# KiCad board traffic_paradise.kicad_pcb (continued)
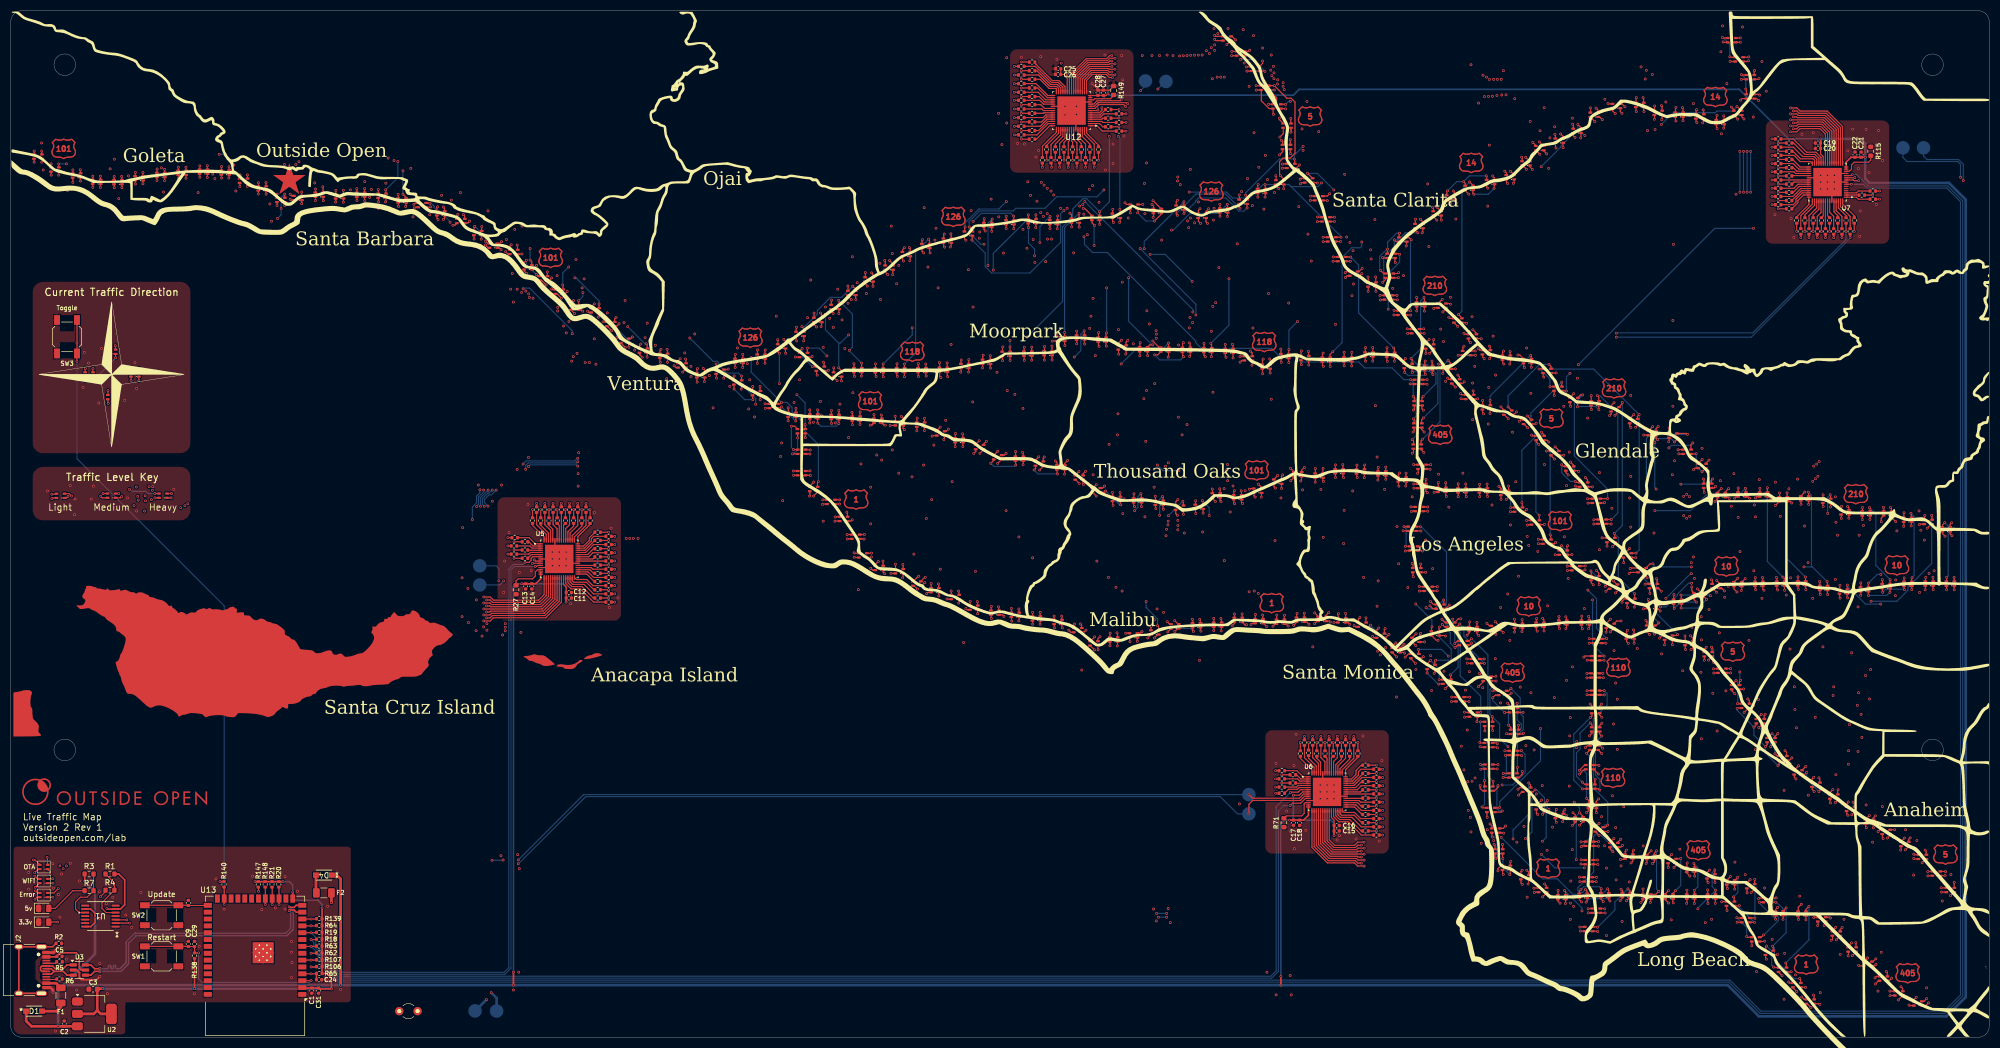
[diagram p0: board, top side]
## Nets (continued)
/Matrix 3/COL1: LED168.2 LED236.2 LED245.2 LED254.2 LED263.2 LED272.2 LED281.2 LED290.2 LED299.2 LED317.2 LED365.2 U7.16
/Matrix 3/COL2: LED169.2 LED237.2 LED246.2 LED255.2 LED264.2 LED273.2 LED282.2 LED291.2 LED300.2 LED307.2 LED366.2 U7.17
/Matrix 3/COL3: LED170.2 LED238.2 LED247.2 LED256.2 LED265.2 LED274.2 LED283.2 LED292.2 LED301.2 LED308.2 LED367.2 U7.18
/Matrix 3/COL4: LED171.2 LED239.2 LED248.2 LED257.2 LED266.2 LED275.2 LED284.2 LED293.2 LED302.2 LED309.2 LED368.2 U7.19
/Matrix 3/COL5: LED240.2 LED249.2 LED258.2 LED267.2 LED276.2 LED285.2 LED294.2 LED303.2 LED310.2 LED311.2 U7.20
/Matrix 3/COL6: LED241.2 LED250.2 LED259.2 LED268.2 LED277.2 LED286.2 LED295.2 LED304.2 LED312.2 LED361.2 U7.21
/Matrix 3/COL7: LED242.2 LED251.2 LED260.2 LED269.2 LED278.2 LED287.2 LED296.2 LED305.2 LED313.2 LED362.2 U7.22
/Matrix 3/COL8: LED243.2 LED252.2 LED261.2 LED270.2 LED279.2 LED288.2 LED297.2 LED306.2 LED315.2 LED363.2 U7.23
/Matrix 3/IND_B: R146.1 U7.1
/Matrix 3/IND_G: R145.1 U7.2
/Matrix 3/IND_R: R109.1 U7.3
/Matrix 3/ROW0: R99.1 U7.28
/Matrix 3/ROW1: R100.1 U7.27
/Matrix 3/ROW2: R101.1 U7.26
/Matrix 3/ROW3: R102.1 U7.31
/Matrix 3/ROW4: R103.1 U7.30
/Matrix 3/ROW5: R104.1 U7.29
/Matrix 3/ROW6: R105.1 U7.34
/Matrix 3/ROW7: R110.1 U7.33
/Matrix 3/ROW8: R111.1 U7.32
/Matrix 3/ROW9: R112.1 U7.38
/Matrix 3/ROW10: R113.1 U7.37
/Matrix 3/ROW11: R114.1 U7.35
/Matrix 3/ROW12: R116.1 U7.41
/Matrix 3/ROW13: R117.1 U7.40
/Matrix 3/ROW14: R118.1 U7.39
/Matrix 3/ROW15: R119.1 U7.47
/Matrix 3/ROW16: R120.1 U7.46
/Matrix 3/ROW17: R121.1 U7.45
/Matrix 3/ROW18: R122.1 U7.50
/Matrix 3/ROW19: R123.1 U7.49
/Matrix 3/ROW20: R124.1 U7.48
/Matrix 3/ROW21: R125.1 U7.44
/Matrix 3/ROW22: R126.1 U7.43
/Matrix 3/ROW23: R127.1 U7.42
/Matrix 3/ROW24: R128.1 U7.60
/Matrix 3/ROW25: R129.1 U7.59
/Matrix 3/ROW26: R130.1 U7.58
/Matrix 3/ROW27: R131.1 U7.54
/Matrix 3/ROW28: R132.1 U7.56
/Matrix 3/ROW29: R133.1 U7.57
/Matrix 3/ROW30: R134.1 U7.53
/Matrix 3/ROW31: R135.1 U7.52
/Matrix 3/ROW32: R136.1 U7.51
/Matrix 4/COL0: LED64.2 LED91.2 LED118.2 LED127.2 LED136.2 LED332.2 LED335.2 LED338.2 LED344.2 LED354.2 LED384.2 LED393.2 LED402.2 U12.21
/Matrix 4/COL1: LED47.2 LED65.2 LED92.2 LED119.2 LED128.2 LED137.2 LED340.2 LED345.2 LED347.2 LED355.2 LED385.2 LED394.2 LED403.2 U12.22
/Matrix 4/COL2: LED48.2 LED66.2 LED93.2 LED120.2 LED129.2 LED134.2 LED135.2 LED138.2 LED343.2 LED357.2 LED386.2 LED395.2 LED404.2 U12.23
/Matrix 4/COL3: LED49.2 LED67.2 LED94.2 LED121.2 LED130.2 LED139.2 LED172.2 LED339.2 LED349.2 LED358.2 LED387.2 LED396.2 LED405.2 U12.24
/Matrix 4/COL4: LED50.2 LED68.2 LED95.2 LED122.2 LED131.2 LED140.2 LED163.2 LED173.2 LED336.2 LED350.2 LED388.2 LED397.2 LED406.2 U12.20
/Matrix 4/COL5: LED51.2 LED69.2 LED96.2 LED123.2 LED132.2 LED141.2 LED164.2 LED174.2 LED348.2 LED351.2 LED389.2 LED398.2 LED407.2 U12.19
/Matrix 4/COL6: LED52.2 LED70.2 LED97.2 LED124.2 LED133.2 LED142.2 LED165.2 LED175.2 LED341.2 LED353.2 LED390.2 LED399.2 LED408.2 U12.18
/Matrix 4/COL7: LED53.2 LED71.2 LED98.2 LED125.2 LED143.2 LED166.2 LED176.2 LED334.2 LED337.2 LED356.2 LED391.2 LED400.2 U12.17
/Matrix 4/COL8: LED54.2 LED72.2 LED99.2 LED126.2 LED144.2 LED331.2 LED333.2 LED342.2 LED346.2 LED352.2 LED392.2 LED401.2 U12.16
/Matrix 4/ROW0: R150.1 U12.4
/Matrix 4/ROW1: R151.1 U12.6
/Matrix 4/ROW2: R152.1 U12.5
/Matrix 4/ROW3: R153.1 U12.1
/Matrix 4/ROW4: R154.1 U12.3
/Matrix 4/ROW5: R155.1 U12.2
/Matrix 4/ROW6: R156.1 U12.58
/Matrix 4/ROW7: R157.1 U12.59
/Matrix 4/ROW8: R158.1 U12.60
/Matrix 4/ROW9: R159.1 U12.54
/Matrix 4/ROW10: R160.1 U12.56
/Matrix 4/ROW11: R161.1 U12.57
/Matrix 4/ROW12: R162.1 U12.51
/Matrix 4/ROW13: R163.1 U12.52
/Matrix 4/ROW14: R164.1 U12.53
/Matrix 4/ROW15: R165.1 U12.48
/Matrix 4/ROW16: R166.1 U12.49
/Matrix 4/ROW17: R167.1 U12.50
/Matrix 4/ROW18: R168.1 U12.45
/Matrix 4/ROW19: R169.1 U12.47
/Matrix 4/ROW20: R170.1 U12.46
/Matrix 4/ROW21: R171.1 U12.39
/Matrix 4/ROW22: R172.1 U12.40
/Matrix 4/ROW23: R173.1 U12.41
/Matrix 4/ROW24: R174.1 U12.42
/Matrix 4/ROW25: R175.1 U12.43
/Matrix 4/ROW26: R176.1 U12.44
/Matrix 4/ROW27: R177.1 U12.29
/Matrix 4/ROW28: R178.1 U12.30
/Matrix 4/ROW29: R179.1 U12.31
/Matrix 4/ROW30: R180.1 U12.32
/Matrix 4/ROW31: R181.1 U12.33
/Matrix 4/ROW32: R182.1 U12.34
/Matrix 4/ROW33: R183.1 U12.35
/Matrix 4/ROW34: R184.1 U12.37
/Matrix 4/ROW35: R185.1 U12.38
/Matrix 4/ROW36: R186.1 U12.26
/Matrix 4/ROW37: R187.1 U12.27
/Matrix 4/ROW38: R188.1 U12.28
/PHOTO: C24.2 R65.2 R108.1 U13.4
/SCL1: R20.2 TP4.1 TP5.1 U1.2 U5.10 U6.10 U13.17
/SCL2: R64.2 TP7.1 TP14.1 U7.10 U12.10 U13.11
/SDA1: R21.2 TP3.1 TP6.1 U1.3 U5.9 U6.9 U13.18
/SDA2: R139.2 TP8.1 TP13.1 U7.9 U12.9 U13.12
/T_SW: R140.2 SW3.2 U13.25
Net-(D1-A): D1.2 F1.2
Net-(D2-A): D2.2 R4.2
Net-(D3-A): D3.2 R7.2
Net-(D4-A): D4.2 F2.2
Net-(F2-Pad1): F2.1 TP22.1
Net-(J2-SHIELD): J2.S1 R2.1
Net-(LED1-BK): LED1.3 LED2.3 LED3.3 LED4.3 LED5.3 LED6.3 LED7.3 LED8.3 LED9.3 R13.2
Net-(LED1-GK): LED1.4 LED2.4 LED3.4 LED4.4 LED5.4 LED6.4 LED7.4 LED8.4 LED9.4 R12.2
Net-(LED1-RK): LED1.1 LED2.1 LED3.1 LED4.1 LED5.1 LED6.1 LED7.1 LED8.1 LED9.1 R11.2
Net-(LED10-BK): LED10.3 LED11.3 LED12.3 LED13.3 LED14.3 LED15.3 LED16.3 LED17.3 LED18.3 R16.2
Net-(LED10-GK): LED10.4 LED11.4 LED12.4 LED13.4 LED14.4 LED15.4 LED16.4 LED17.4 LED18.4 R15.2
Net-(LED10-RK): LED10.1 LED11.1 LED12.1 LED13.1 LED14.1 LED15.1 LED16.1 LED17.1 LED18.1 R14.2
Net-(LED19-BK): LED19.3 LED20.3 LED21.3 LED22.3 LED23.3 LED24.3 LED25.3 LED26.3 LED27.3 R23.2
Net-(LED19-GK): LED19.4 LED20.4 LED21.4 LED22.4 LED23.4 LED24.4 LED25.4 LED26.4 LED27.4 R22.2
Net-(LED19-RK): LED19.1 LED20.1 LED21.1 LED22.1 LED23.1 LED24.1 LED25.1 LED26.1 LED27.1 R17.2
Net-(LED28-BK): LED28.3 LED29.3 LED30.3 LED31.3 LED32.3 LED33.3 LED34.3 LED35.3 LED36.3 R26.2
Net-(LED28-GK): LED28.4 LED29.4 LED30.4 LED31.4 LED32.4 LED33.4 LED34.4 LED35.4 LED36.4 R25.2
Net-(LED28-RK): LED28.1 LED29.1 LED30.1 LED31.1 LED32.1 LED33.1 LED34.1 LED35.1 LED36.1 R24.2
Net-(LED37-BK): LED37.3 LED38.3 LED39.3 LED40.3 LED41.3 LED42.3 LED43.3 LED44.3 LED45.3 R30.2
Net-(LED37-GK): LED37.4 LED38.4 LED39.4 LED40.4 LED41.4 LED42.4 LED43.4 LED44.4 LED45.4 R29.2
Net-(LED37-RK): LED37.1 LED38.1 LED39.1 LED40.1 LED41.1 LED42.1 LED43.1 LED44.1 LED45.1 R28.2
Net-(LED55-BK): LED55.3 LED56.3 LED57.3 LED58.3 LED59.3 LED60.3 LED61.3 LED62.3 LED63.3 R33.2
Net-(LED55-GK): LED55.4 LED56.4 LED57.4 LED58.4 LED59.4 LED60.4 LED61.4 LED62.4 LED63.4 R32.2
Net-(LED55-RK): LED55.1 LED56.1 LED57.1 LED58.1 LED59.1 LED60.1 LED61.1 LED62.1 LED63.1 R31.2
Net-(LED64-BK): LED64.3 LED65.3 LED66.3 LED67.3 LED68.3 LED69.3 LED70.3 LED71.3 LED72.3 R155.2
Net-(LED64-GK): LED64.4 LED65.4 LED66.4 LED67.4 LED68.4 LED69.4 LED70.4 LED71.4 LED72.4 R154.2
Net-(LED64-RK): LED64.1 LED65.1 LED66.1 LED67.1 LED68.1 LED69.1 LED70.1 LED71.1 LED72.1 R153.2
Net-(LED73-BK): LED73.3 LED74.3 LED75.3 LED76.3 LED77.3 LED78.3 LED79.3 LED80.3 LED81.3 R36.2
Net-(LED73-GK): LED73.4 LED74.4 LED75.4 LED76.4 LED77.4 LED78.4 LED79.4 LED80.4 LED81.4 R35.2
Net-(LED73-RK): LED73.1 LED74.1 LED75.1 LED76.1 LED77.1 LED78.1 LED79.1 LED80.1 LED81.1 R34.2
Net-(LED82-BK): LED82.3 LED83.3 LED84.3 LED85.3 LED86.3 LED87.3 LED88.3 LED89.3 LED90.3 R39.2
Net-(LED82-GK): LED82.4 LED83.4 LED84.4 LED85.4 LED86.4 LED87.4 LED88.4 LED89.4 LED90.4 R38.2
Net-(LED82-RK): LED82.1 LED83.1 LED84.1 LED85.1 LED86.1 LED87.1 LED88.1 LED89.1 LED90.1 R37.2
Net-(LED91-BK): LED91.3 LED92.3 LED93.3 LED94.3 LED95.3 LED96.3 LED97.3 LED98.3 LED99.3 R167.2
Net-(LED91-GK): LED91.4 LED92.4 LED93.4 LED94.4 LED95.4 LED96.4 LED97.4 LED98.4 LED99.4 R166.2
Net-(LED91-RK): LED91.1 LED92.1 LED93.1 LED94.1 LED95.1 LED96.1 LED97.1 LED98.1 LED99.1 R165.2
Net-(LED100-BK): LED100.3 LED101.3 LED102.3 LED103.3 LED104.3 LED105.3 LED106.3 LED107.3 LED108.3 R42.2
Net-(LED100-GK): LED100.4 LED101.4 LED102.4 LED103.4 LED104.4 LED105.4 LED106.4 LED107.4 LED108.4 R41.2
Net-(LED100-RK): LED100.1 LED101.1 LED102.1 LED103.1 LED104.1 LED105.1 LED106.1 LED107.1 LED108.1 R40.2
Net-(LED109-BK): LED109.3 LED110.3 LED111.3 LED112.3 LED113.3 LED114.3 LED115.3 LED116.3 LED414.3 R45.2
Net-(LED109-GK): LED109.4 LED110.4 LED111.4 LED112.4 LED113.4 LED114.4 LED115.4 LED116.4 LED414.4 R44.2
Net-(LED109-RK): LED109.1 LED110.1 LED111.1 LED112.1 LED113.1 LED114.1 LED115.1 LED116.1 LED414.1 R43.2
Net-(LED117-BK): LED117.3 LED360.3 LED371.3 LED376.3 LED378.3 R92.2
Net-(LED117-GK): LED117.4 LED360.4 LED371.4 LED376.4 LED378.4 R91.2
Net-(LED117-RK): LED117.1 LED360.1 LED371.1 LED376.1 LED378.1 R90.2
Net-(LED118-BK): LED118.3 LED119.3 LED120.3 LED121.3 LED122.3 LED123.3 LED124.3 LED125.3 LED126.3 R173.2
Net-(LED118-GK): LED118.4 LED119.4 LED120.4 LED121.4 LED122.4 LED123.4 LED124.4 LED125.4 LED126.4 R172.2
Net-(LED118-RK): LED118.1 LED119.1 LED120.1 LED121.1 LED122.1 LED123.1 LED124.1 LED125.1 LED126.1 R171.2
Net-(LED127-BK): LED127.3 LED128.3 LED129.3 LED130.3 LED131.3 LED132.3 LED133.3 LED334.3 LED346.3 R170.2
Net-(LED127-GK): LED127.4 LED128.4 LED129.4 LED130.4 LED131.4 LED132.4 LED133.4 LED334.4 LED346.4 R169.2
Net-(LED127-RK): LED127.1 LED128.1 LED129.1 LED130.1 LED131.1 LED132.1 LED133.1 LED334.1 LED346.1 R168.2
Net-(LED134-BK): LED134.3 LED335.3 LED336.3 LED337.3 LED339.3 LED341.3 LED342.3 LED347.3 LED348.3 R161.2
Net-(LED134-GK): LED134.4 LED335.4 LED336.4 LED337.4 LED339.4 LED341.4 LED342.4 LED347.4 LED348.4 R160.2
Net-(LED134-RK): LED134.1 LED335.1 LED336.1 LED337.1 LED339.1 LED341.1 LED342.1 LED347.1 LED348.1 R159.2
Net-(LED135-BK): LED135.3 LED172.3 LED173.3 LED174.3 LED175.3 LED176.3 LED333.3 LED344.3 LED345.3 R158.2
Net-(LED135-GK): LED135.4 LED172.4 LED173.4 LED174.4 LED175.4 LED176.4 LED333.4 LED344.4 LED345.4 R157.2
Net-(LED135-RK): LED135.1 LED172.1 LED173.1 LED174.1 LED175.1 LED176.1 LED333.1 LED344.1 LED345.1 R156.2
Net-(LED136-BK): LED136.3 LED137.3 LED138.3 LED139.3 LED140.3 LED141.3 LED142.3 LED143.3 LED144.3 R176.2
Net-(LED136-GK): LED136.4 LED137.4 LED138.4 LED139.4 LED140.4 LED141.4 LED142.4 LED143.4 LED144.4 R175.2
Net-(LED136-RK): LED136.1 LED137.1 LED138.1 LED139.1 LED140.1 LED141.1 LED142.1 LED143.1 LED144.1 R174.2
Net-(LED145-BK): LED145.3 LED146.3 LED147.3 LED148.3 LED149.3 LED150.3 LED151.3 LED152.3 LED153.3 R48.2
Net-(LED145-GK): LED145.4 LED146.4 LED147.4 LED148.4 LED149.4 LED150.4 LED151.4 LED152.4 LED153.4 R47.2
Net-(LED145-RK): LED145.1 LED146.1 LED147.1 LED148.1 LED149.1 LED150.1 LED151.1 LED152.1 LED153.1 R46.2
Net-(LED154-BK): LED154.3 LED155.3 LED156.3 LED157.3 LED158.3 LED159.3 LED160.3 LED161.3 LED162.3 R70.2
Net-(LED154-GK): LED154.4 LED155.4 LED156.4 LED157.4 LED158.4 LED159.4 LED160.4 LED161.4 LED162.4 R69.2
Net-(LED154-RK): LED154.1 LED155.1 LED156.1 LED157.1 LED158.1 LED159.1 LED160.1 LED161.1 LED162.1 R68.2
Net-(LED163-BK): LED163.3 LED164.3 LED165.3 LED166.3 LED331.3 LED354.3 LED355.3 LED357.3 LED358.3 R179.2
Net-(LED163-GK): LED163.4 LED164.4 LED165.4 LED166.4 LED331.4 LED354.4 LED355.4 LED357.4 LED358.4 R178.2
Net-(LED163-RK): LED163.1 LED164.1 LED165.1 LED166.1 LED331.1 LED354.1 LED355.1 LED357.1 LED358.1 R177.2
Net-(LED167-BK): LED167.3 LED168.3 LED169.3 LED170.3 LED171.3 LED311.3 LED312.3 LED313.3 LED315.3 R130.2
Net-(LED167-GK): LED167.4 LED168.4 LED169.4 LED170.4 LED171.4 LED311.4 LED312.4 LED313.4 LED315.4 R129.2
Net-(LED167-RK): LED167.1 LED168.1 LED169.1 LED170.1 LED171.1 LED311.1 LED312.1 LED313.1 LED315.1 R128.2
Net-(LED177-BK): LED177.3 LED178.3 LED179.3 LED180.3 LED181.3 LED182.3 LED183.3 LED184.3 LED185.3 R74.2
Net-(LED177-GK): LED177.4 LED178.4 LED179.4 LED180.4 LED181.4 LED182.4 LED183.4 LED184.4 LED185.4 R73.2
Net-(LED177-RK): LED177.1 LED178.1 LED179.1 LED180.1 LED181.1 LED182.1 LED183.1 LED184.1 LED185.1 R72.2
Net-(LED186-BK): LED186.3 LED187.3 LED188.3 LED189.3 LED314.3 LED359.3 LED373.3 LED374.3 LED377.3 R60.2
Net-(LED186-GK): LED186.4 LED187.4 LED188.4 LED189.4 LED314.4 LED359.4 LED373.4 LED374.4 LED377.4 R59.2
Net-(LED186-RK): LED186.1 LED187.1 LED188.1 LED189.1 LED314.1 LED359.1 LED373.1 LED374.1 LED377.1 R58.2
Net-(LED190-BK): LED190.3 LED191.3 LED192.3 LED193.3 LED194.3 LED195.3 LED196.3 LED197.3 LED198.3 R77.2
Net-(LED190-GK): LED190.4 LED191.4 LED192.4 LED193.4 LED194.4 LED195.4 LED196.4 LED197.4 LED198.4 R76.2
Net-(LED190-RK): LED190.1 LED191.1 LED192.1 LED193.1 LED194.1 LED195.1 LED196.1 LED197.1 LED198.1 R75.2
Net-(LED199-BK): LED199.3 LED200.3 LED201.3 LED202.3 LED203.3 LED204.3 LED205.3 LED206.3 LED207.3 R80.2
Net-(LED199-GK): LED199.4 LED200.4 LED201.4 LED202.4 LED203.4 LED204.4 LED205.4 LED206.4 LED207.4 R79.2
Net-(LED199-RK): LED199.1 LED200.1 LED201.1 LED202.1 LED203.1 LED204.1 LED205.1 LED206.1 LED207.1 R78.2
Net-(LED208-BK): LED208.3 LED209.3 LED210.3 LED211.3 LED212.3 LED213.3 LED214.3 LED215.3 LED216.3 R83.2
Net-(LED208-GK): LED208.4 LED209.4 LED210.4 LED211.4 LED212.4 LED213.4 LED214.4 LED215.4 LED216.4 R82.2
Net-(LED208-RK): LED208.1 LED209.1 LED210.1 LED211.1 LED212.1 LED213.1 LED214.1 LED215.1 LED216.1 R81.2
Net-(LED217-BK): LED217.3 LED218.3 LED219.3 LED220.3 LED221.3 LED222.3 LED223.3 LED224.3 LED225.3 R86.2
Net-(LED217-GK): LED217.4 LED218.4 LED219.4 LED220.4 LED221.4 LED222.4 LED223.4 LED224.4 LED225.4 R85.2
Net-(LED217-RK): LED217.1 LED218.1 LED219.1 LED220.1 LED221.1 LED222.1 LED223.1 LED224.1 LED225.1 R84.2
Net-(LED226-BK): LED226.3 LED227.3 LED228.3 LED229.3 LED230.3 LED231.3 LED232.3 LED233.3 LED234.3 R89.2
Net-(LED226-GK): LED226.4 LED227.4 LED228.4 LED229.4 LED230.4 LED231.4 LED232.4 LED233.4 LED234.4 R88.2
Net-(LED226-RK): LED226.1 LED227.1 LED228.1 LED229.1 LED230.1 LED231.1 LED232.1 LED233.1 LED234.1 R87.2
Net-(LED235-BK): LED235.3 LED236.3 LED237.3 LED238.3 LED239.3 LED240.3 LED241.3 LED242.3 LED243.3 R101.2
Net-(LED235-GK): LED235.4 LED236.4 LED237.4 LED238.4 LED239.4 LED240.4 LED241.4 LED242.4 LED243.4 R100.2
Net-(LED235-RK): LED235.1 LED236.1 LED237.1 LED238.1 LED239.1 LED240.1 LED241.1 LED242.1 LED243.1 R99.2
Net-(LED244-BK): LED244.3 LED245.3 LED246.3 LED247.3 LED248.3 LED249.3 LED250.3 LED251.3 LED252.3 R104.2
Net-(LED244-GK): LED244.4 LED245.4 LED246.4 LED247.4 LED248.4 LED249.4 LED250.4 LED251.4 LED252.4 R103.2
Net-(LED244-RK): LED244.1 LED245.1 LED246.1 LED247.1 LED248.1 LED249.1 LED250.1 LED251.1 LED252.1 R102.2
Net-(LED253-BK): LED253.3 LED254.3 LED255.3 LED256.3 LED257.3 LED258.3 LED259.3 LED260.3 LED261.3 R111.2
Net-(LED253-GK): LED253.4 LED254.4 LED255.4 LED256.4 LED257.4 LED258.4 LED259.4 LED260.4 LED261.4 R110.2
Net-(LED253-RK): LED253.1 LED254.1 LED255.1 LED256.1 LED257.1 LED258.1 LED259.1 LED260.1 LED261.1 R105.2
Net-(LED262-BK): LED262.3 LED263.3 LED264.3 LED265.3 LED266.3 LED267.3 LED268.3 LED269.3 LED270.3 R114.2
Net-(LED262-GK): LED262.4 LED263.4 LED264.4 LED265.4 LED266.4 LED267.4 LED268.4 LED269.4 LED270.4 R113.2
Net-(LED262-RK): LED262.1 LED263.1 LED264.1 LED265.1 LED266.1 LED267.1 LED268.1 LED269.1 LED270.1 R112.2
Net-(LED271-BK): LED271.3 LED272.3 LED273.3 LED274.3 LED275.3 LED276.3 LED277.3 LED278.3 LED279.3 R118.2
Net-(LED271-GK): LED271.4 LED272.4 LED273.4 LED274.4 LED275.4 LED276.4 LED277.4 LED278.4 LED279.4 R117.2
Net-(LED271-RK): LED271.1 LED272.1 LED273.1 LED274.1 LED275.1 LED276.1 LED277.1 LED278.1 LED279.1 R116.2
Net-(LED280-BK): LED280.3 LED281.3 LED282.3 LED283.3 LED284.3 LED285.3 LED286.3 LED287.3 LED288.3 R121.2
Net-(LED280-GK): LED280.4 LED281.4 LED282.4 LED283.4 LED284.4 LED285.4 LED286.4 LED287.4 LED288.4 R120.2
Net-(LED280-RK): LED280.1 LED281.1 LED282.1 LED283.1 LED284.1 LED285.1 LED286.1 LED287.1 LED288.1 R119.2
Net-(LED289-BK): LED289.3 LED290.3 LED291.3 LED292.3 LED293.3 LED294.3 LED295.3 LED296.3 LED297.3 R124.2
Net-(LED289-GK): LED289.4 LED290.4 LED291.4 LED292.4 LED293.4 LED294.4 LED295.4 LED296.4 LED297.4 R123.2
Net-(LED289-RK): LED289.1 LED290.1 LED291.1 LED292.1 LED293.1 LED294.1 LED295.1 LED296.1 LED297.1 R122.2
Net-(LED298-BK): LED298.3 LED299.3 LED300.3 LED301.3 LED302.3 LED303.3 LED304.3 LED305.3 LED306.3 R127.2
Net-(LED298-GK): LED298.4 LED299.4 LED300.4 LED301.4 LED302.4 LED303.4 LED304.4 LED305.4 LED306.4 R126.2
Net-(LED298-RK): LED298.1 LED299.1 LED300.1 LED301.1 LED302.1 LED303.1 LED304.1 LED305.1 LED306.1 R125.2
Net-(LED307-BK): LED307.3 LED308.3 LED309.3 LED310.3 LED316.3 LED317.3 LED361.3 LED362.3 LED363.3 R133.2
Net-(LED307-GK): LED307.4 LED308.4 LED309.4 LED310.4 LED316.4 LED317.4 LED361.4 LED362.4 LED363.4 R132.2
Net-(LED307-RK): LED307.1 LED308.1 LED309.1 LED310.1 LED316.1 LED317.1 LED361.1 LED362.1 LED363.1 R131.2
Net-(LED318-BK): LED318.3 LED319.3 LED320.3 LED321.3 LED322.3 LED323.3 LED324.3 LED329.3 LED330.3 R67.2
Net-(LED318-GK): LED318.4 LED319.4 LED320.4 LED321.4 LED322.4 LED323.4 LED324.4 LED329.4 LED330.4 R66.2
Net-(LED318-RK): LED318.1 LED319.1 LED320.1 LED321.1 LED322.1 LED323.1 LED324.1 LED329.1 LED330.1 R61.2
Net-(LED325-BK): LED325.3 LED326.3 LED327.3 LED328.3 LED409.3 LED410.3 LED411.3 LED412.3 LED413.3 R51.2
Net-(LED325-GK): LED325.4 LED326.4 LED327.4 LED328.4 LED409.4 LED410.4 LED411.4 LED412.4 LED413.4 R50.2
Net-(LED325-RK): LED325.1 LED326.1 LED327.1 LED328.1 LED409.1 LED410.1 LED411.1 LED412.1 LED413.1 R49.2
Net-(LED332-BK): LED47.3 LED48.3 LED49.3 LED50.3 LED51.3 LED52.3 LED53.3 LED54.3 LED332.3 R152.2
Net-(LED332-GK): LED47.4 LED48.4 LED49.4 LED50.4 LED51.4 LED52.4 LED53.4 LED54.4 LED332.4 R151.2
Net-(LED332-RK): LED47.1 LED48.1 LED49.1 LED50.1 LED51.1 LED52.1 LED53.1 LED54.1 LED332.1 R150.2
Net-(LED338-BK): LED338.3 LED340.3 LED343.3 LED349.3 LED350.3 LED351.3 LED352.3 LED353.3 LED356.3 R164.2
Net-(LED338-GK): LED338.4 LED340.4 LED343.4 LED349.4 LED350.4 LED351.4 LED352.4 LED353.4 LED356.4 R163.2
Net-(LED338-RK): LED338.1 LED340.1 LED343.1 LED349.1 LED350.1 LED351.1 LED352.1 LED353.1 LED356.1 R162.2
Net-(LED364-BK): LED364.3 LED365.3 LED366.3 LED367.3 LED368.3 R136.2
Net-(LED364-GK): LED364.4 LED365.4 LED366.4 LED367.4 LED368.4 R135.2
Net-(LED364-RK): LED364.1 LED365.1 LED366.1 LED367.1 LED368.1 R134.2
Net-(LED369-BK): LED369.3 LED370.3 LED372.3 LED375.3 LED379.3 LED380.3 LED381.3 LED382.3 LED383.3 R57.2
Net-(LED369-GK): LED369.4 LED370.4 LED372.4 LED375.4 LED379.4 LED380.4 LED381.4 LED382.4 LED383.4 R56.2
Net-(LED369-RK): LED369.1 LED370.1 LED372.1 LED375.1 LED379.1 LED380.1 LED381.1 LED382.1 LED383.1 R55.2
Net-(LED384-BK): LED384.3 LED385.3 LED386.3 LED387.3 LED388.3 LED389.3 LED390.3 LED391.3 LED392.3 R182.2
Net-(LED384-GK): LED384.4 LED385.4 LED386.4 LED387.4 LED388.4 LED389.4 LED390.4 LED391.4 LED392.4 R181.2
Net-(LED384-RK): LED384.1 LED385.1 LED386.1 LED387.1 LED388.1 LED389.1 LED390.1 LED391.1 LED392.1 R180.2
Net-(LED393-BK): LED393.3 LED394.3 LED395.3 LED396.3 LED397.3 LED398.3 LED399.3 LED400.3 LED401.3 R185.2
Net-(LED393-GK): LED393.4 LED394.4 LED395.4 LED396.4 LED397.4 LED398.4 LED399.4 LED400.4 LED401.4 R184.2
Net-(LED393-RK): LED393.1 LED394.1 LED395.1 LED396.1 LED397.1 LED398.1 LED399.1 LED400.1 LED401.1 R183.2
Net-(LED402-BK): LED402.3 LED403.3 LED404.3 LED405.3 LED406.3 LED407.3 LED408.3 R188.2
Net-(LED402-GK): LED402.4 LED403.4 LED404.4 LED405.4 LED406.4 LED407.4 LED408.4 R187.2
Net-(LED402-RK): LED402.1 LED403.1 LED404.1 LED405.1 LED406.1 LED407.1 LED408.1 R186.2
Net-(U5-ISET): R27.2 U5.13
Net-(U5-~{SDB}): R18.2 U5.11
Net-(U6-ISET): R71.2 U6.13
Net-(U6-~{SDB}): R62.2 U6.11
Net-(U7-ISET): R115.2 U7.13
Net-(U7-~{SDB}): R106.2 U7.11
Net-(U12-ISET): R149.2 U12.13
Net-(U12-~{SDB}): R147.2 U12.11

Pads without a net: J2 A8 B8; R52 2; R53 2; R54 2; R93 2; R94 2; R95 2; R96 2; R97 2; R98 2; R109 2; R145 2; R146 2; U1 7 8 11; U7 4 5 6; U13 5 7 9 16 20 21 22 23 24 26 28 29 30 31 32 33 34 35 36 37 38 39

## Via types
v1: diameter 0.5, hole 0.3, Top to Bottom, 2932 vias

## Routing (per net, layer and track width the routed paths; a pad name or vN(x,y) marks a point on that pad's centre or on a via; arc(x,y) is an arc through that point)
+3.3V: length 137
  Top w0.305: v1(17.8,23.85) 17.9,23.75 U1.6 20.3,23.75 21.1,24.55 21.1,29.15 20,30.25 R1.1 ; R140.1 v1(38.74,28.84) ; v1(45.21,28.84) R147.1 R148.1 R21.1 R20.1 50.42,28.84 v1(50.42,28.83) ; U13.15 v1(52.24,26.89) ; v1(57.66,23.95) R139.1 R64.1 R19.1 R18.1 R63.1 R62.1 R107.1 R106.1 R65.1 58.54,11.81 59.4,10.95 v1(59.4,8.95) 57.19,8.95 C31.1 C1.1 54.09,9.12 U13.2 ; R138.1 v1(34.04,9)
  Top w0.5: v1(17.02,9) 16.12,9 C3.1 16.02,4.97 ; 12.34,4.32 15.37,4.32 16.02,4.97 ; U2.2 16.66,4.32 16.02,4.97
  In1.Cu w0.305: v1(38.74,28.84) v1(45.21,28.84)
  In2.Cu w0.5: v1(17.8,23.85) 17.8,21.15 12.6,15.95 12.6,11.25 14.85,9 v1(17.02,9)
  Bottom w0.305: v1(50.42,28.83) 51.62,28.83 52.24,28.22 v1(52.24,26.89) 52.24,25.87 52.71,25.4 56.9,25.4 57.66,24.64 v1(57.66,23.95)
  Bottom w0.5: v1(59.4,8.95) 59.35,9 v1(34.04,9) v1(17.02,9)
+5V: length 939.7
  Top w0.2: U12.8 201.29,171.75 v1(201.4,171.86)
  Top w0.203: U6.8 239.32,45.47 238.71,44.86 v1(237.59,44.86) ; U5.25 102.4,83.9 102.9,83.4 C12.1 C11.1 ; C25.1 194.5,179.5 C26.1 v1(195.4,178.45) 195.7,178.15 195.7,175.19 ; U7.14 340,161.02 ; U6.25 244.64,40.72 245.14,40.22 C16.1 ; U5.14 98.16,86.13 ; v1(203.25,174.88) 202.95,174.57 C27.1 C28.1 201.38,174.55 U12.15 U12.14 ; U6.14 240.4,42.95 ; U7.25 335.75,163.25 335.25,163.75 C20.1
  Top w0.305: R3.1 13.7,30.23 v1(13.7,28.95) ; U1.9 14.82,23.75 15.6,22.97 v1(15.6,22.15) 15.6,21.28 14.82,20.5 U1.14 ; 240.4,42.95 U6.15 240.4,41.14 239.49,40.24 C18.1 C17.1 v1(236.88,40.24) ; C16.1 C15.1 v1(245.14,37.37) ; C20.1 C19.1 335.28,165.77 v1(335.28,166.5) ; v1(94.64,84.05) C13.1 C14.1 97.25,84.05 98.16,84.95 U5.15 98.16,86.13 ; v1(235.28,9.66) v1(235.28,11.25) ; C11.1 102.87,81.38 v1(102.87,80.65) ; 340,161.02 U7.15 340,162.2 340.9,163.1 C22.1 C21.1 v1(343.53,163.1) ; v1(93.12,12.06) v1(93.12,9.66)
  Top w0.5: 12.34,2.02 v1(8.76,2.02) 3.82,2.02 2.84,3 D1.1 ; D4.1 60.4,30.05 61.1,29.35 v1(61.1,9.66)
  Bottom w0.2: v1(201.4,171.86) 201.4,173.03 v1(203.25,174.88)
  Bottom w0.203: v1(203.25,174.88) 203.25,176 200.8,178.45 v1(195.4,178.45)
  Bottom w0.305: 93.63,84.05 v1(94.64,84.05) 102.26,84.05 102.87,83.44 v1(102.87,80.65) ; 93.63,84.05 93.22,83.64 ; 93.63,84.05 93.12,83.54 v1(93.12,12.06) ; C17.1 237.59,40.26 v1(237.59,44.86) ; C17.1 244.5,40.24 245.14,39.6 v1(245.14,37.37) ; C17.1 v1(236.88,40.24) 235.99,40.24 235.28,39.52 v1(235.28,11.25) ; v1(335.28,166.5) 329.37,166.5 320.18,175.7 238.69,175.7 237.61,174.61 203.51,174.61 v1(203.25,174.88) ; v1(13.7,28.95) 15.6,27.05 v1(15.6,22.15)
  Bottom w0.5: 9.78,9.66 v1(93.12,9.66) v1(235.28,9.66) 318.05,9.66 323.83,3.87 358.59,3.87 362.15,7.43 362.15,155.24 359.05,158.34 344.33,158.34 343.53,159.13 v1(343.53,163.1) 343.53,165.61 342.65,166.5 v1(335.28,166.5) ; 9.78,9.66 8.76,8.64 v1(8.76,2.02) ; 9.78,9.66 15.6,15.48 v1(15.6,22.15)
GND: length 74.7
  Top w0.2: U7.8 v1(336.55,158.5)
  Top w0.203: v1(243.84,45.47) v1(242.57,44.2) 242.24,43.87 U6.12 ; v1(243.84,45.47) 244.64,44.67 U6.36 ; v1(243.84,45.47) 243.04,46.27 U6.55 ; v1(101.6,88.65) 100.8,89.45 U5.55 ; v1(101.6,88.65) U5.8 ; v1(101.6,88.65) 102.4,87.85 U5.36 ; v1(101.6,88.65) 100,87.05 U5.12 ; U7.36 335.75,159.3 v1(336.55,158.5) ; v1(200.3,176.75) 201.4,175.65 C28.2 C27.2 203.53,175.53 R149.1 ; v1(336.55,158.5) 338.15,160.1 U7.12 ; v1(336.55,158.5) 337.35,157.7 U7.55 ; U12.61 197.4,170.85 v1(197.4,171.05) 197.2,171.05 197.3,170.95 U12.55 ; U12.61 197.3,172.55 v1(197.4,172.55) 197.4,172.65 198.1,173.35 U12.12 ; U12.61 195.3,171.75 194.5,172.55 U12.36
  Top w0.305: v1(16.5,11.25) 15.9,10.65 13.1,10.65 12.7,11.05 12.7,11.97 12.22,12.45 U3.2 ; 14.47,9.19 C3.2
  Top w0.5: v1(8.3,16.05) 7.95,15.7 J2.A1 ; J2.A12 7.35,9.2 7.8,8.75 v1(7.8,8.35)
  Bottom w0.305: 85.98,4.88 85.98,5.89 86,5.91 TP21.1
  Bottom w0.5: TP21.1 86.03,4.88 v1(88.11,6.95)
  vias: v1(3.3,30.55) v1(3.3,27.45) v1(3.9,160.05) v1(5.7,165.75) v1(6,160.75) v1(6.8,101.25) v1(7.8,32.15) v1(7.9,27.65) v1(8.3,1.15) v1(8.8,26.45) v1(9.1,22.25) v1(9.4,30.25) v1(10.29,14.48) v1(10.5,156.95) v1(11,102.25) v1(11,32.25) v1(11.8,96.85) v1(11.9,99.75) v1(12.2,8.75) v1(12.7,28.95) v1(13.4,120.45) v1(13.6,126.95) v1(14.4,124.95) v1(14.9,99.75) v1(15.3,102.15) v1(16.3,117.55) v1(16.4,26.95) v1(16.5,22.05) v1(16.5,13.65) v1(16.8,127.65) v1(17.7,24.75) v1(17.9,8.05) v1(18.4,160.95) v1(18.9,25.95) v1(19.2,162.75) v1(20,155.45) v1(21.1,118.05) v1(21.3,22.65) v1(21.6,99.95) v1(21.8,159.65) v1(22.4,20.35) v1(23,125.05) v1(23.3,120.25) v1(23.3,97.55) v1(24.1,26.85) v1(26.3,102.04) v1(28.3,156.65) v1(30.2,101.55) v1(34,8.05) v1(34.7,156.55) v1(34.9,16.85) v1(37.8,159.15) v1(38,29.35) v1(39.5,23.75) v1(41.7,156.85) v1(44.8,29.85) v1(46.5,23.65) v1(48,154.45) v1(48.3,151.25) v1(49,23.95) v1(50.8,29.75) v1(50.8,23.75) v1(52,17.75) v1(52,15.75) v1(52,11.05) v1(52.1,13.85) v1(53.1,27.05) v1(56.3,158.35) v1(58.6,10.65) v1(58.7,24.25) v1(58.7,18.55) v1(58.8,20.85) v1(61.1,8.85) v1(62.9,157.05) v1(65.58,158.58) v1(66.8,157.15) v1(69.49,158.29) v1(69.9,162.95) v1(74.1,161.05) v1(74.5,152.05) v1(77.6,152.45) v1(79.8,156.05) v1(81.6,155.15) v1(83.3,156.55) v1(83.6,85.15) v1(83.6,77.95) v1(83.7,94.45) v1(84.8,76.85) v1(86.2,75.35) v1(86.6,102.35) v1(87.3,74.35) v1(88.4,153.15) v1(89.2,99.35) v1(90.8,33.65) v1(90.9,102.35) v1(91.1,74.55) v1(91.3,82.45) v1(91.5,88.25) v1(91.8,147.85) v1(92.3,93.55) v1(92.6,138.65) v1(92.9,141.55) v1(93.1,136.25) v1(93.1,8.75) v1(93.8,105.25) v1(93.9,33.85) v1(94.1,12.05) v1(94.2,86.15) v1(94.2,31.25) v1(94.5,75.05) v1(94.7,150.35) v1(95.8,98.75) v1(95.9,107.45) v1(96.4,86.45) v1(100.33,89.92) v1(100.33,88.65) v1(100.33,87.38) v1(101.2,141.15) v1(101.6,89.92) v1(101.6,87.38) v1(102.9,130.55) v1(102.87,89.92) v1(102.87,88.65) v1(102.87,87.38) v1(103.4,132.65) v1(103.7,80.35) v1(104.7,144.15) v1(104.9,126.75) v1(105.1,104.45) v1(105.1,102.15) v1(105.2,108.35) v1(106.2,140.55) v1(108.1,129.45) v1(108.1,97.25) v1(108.4,124.75) v1(110.5,134.25) v1(110.9,79.65) v1(111.2,94.35) v1(112.5,81.45) v1(113.6,132.45) v1(113.8,136.55) v1(116.2,92.45) v1(117.5,129.65) v1(117.9,132.35) v1(119.4,128.25) v1(121.5,122.05) v1(126,124.35) v1(126,122.45) v1(126.7,130.35) v1(129.4,122.65) v1(130.1,116.65) v1(133.2,120.65) v1(134.6,127.75) v1(136.7,116.45) v1(136.9,121.85) v1(141.8,133.65) v1(142.6,107.65) v1(142.8,110.15) v1(143,99.45) v1(145.1,117.65) v1(146.1,121.85) v1(147.6,133.35) v1(148.2,140.35) v1(150,117.85) v1(150.5,127.85) v1(150.5,95.65) v1(150.9,135.35) v1(151.7,133.25) v1(152.36,131.57) v1(153.2,138.65) v1(153.6,117.35) v1(154,132.95) v1(154.5,127.65) v1(155.1,136.05) v1(155.2,111.15) v1(155.9,144.65) v1(156.8,139.85) v1(157,82.95) v1(157.5,106.25) v1(158.5,137.85) v1(159.3,101.95) v1(159.3,95.15) v1(161,143.45) v1(161.1,136.75) v1(163.1,150.35) v1(163.3,145.25) v1(164.1,139.65) v1(164.5,143.05) v1(164.5,104.55) v1(167.3,89.55) v1(169.1,106.05) v1(169.2,153.75) v1(169.6,96.15) v1(169.9,142.75) v1(170.6,99.65) v1(171,109.75) v1(171.2,147.75) v1(171.4,149.95) v1(172.2,86.75) v1(173.2,114.35) v1(174.19,128.41) v1(176.5,73.15) v1(177.4,142.25) v1(177.91,153.21) v1(178.2,117.75) v1(178.7,86.35) v1(179.5,149.25) v1(181.6,155.35) v1(182.7,123.25) v1(183,171.25) v1(183.6,165.45) v1(183.9,145.35) v1(184.5,181.55) v1(184.5,169.45) v1(186,119.15) v1(186.5,165.65) v1(187.2,181.65) v1(187.5,149.75) v1(187.5,116.55) v1(187.8,165.55) v1(188.4,158.55) v1(188.9,156.05) v1(189.3,88.85) v1(189.9,163.15) v1(190.4,164.35) v1(190.8,181.75) v1(191.7,143.75) v1(193.8,181.25) v1(195.3,172.55) v1(195.3,170.95) v1(198.4,68.05) v1(199.88,131.39) v1(200.1,133.65) v1(200.5,136.95) v1(200.5,104.25) v1(200.9,126.35) v1(201.2,88.25) v1(201.6,154.75) v1(202.7,182.05) v1(202.8,160.75) v1(204.2,165.55) v1(204.2,161.95) v1(205,111.65) v1(205.1,115.55) v1(205.2,131.15) v1(205.8,181.95) v1(205.9,139.95) v1(206,177.45) v1(206,97.05) v1(206.2,167.05) v1(207,151.85) v1(207.94,128.53) v1(209.6,181.95) v1(209.9,118.35) v1(210,158.25) v1(210.1,152.65) v1(210.1,96.45) v1(210.4,162.05) v1(211.4,181.95) v1(211.7,23.75) v1(211.8,101.95) v1(212.2,21.55) v1(212.8,181.95) v1(214,92.95) v1(214.2,182.05) v1(214.4,23.85) v1(214.8,21.25) v1(215.3,181.95) v1(216.65,158.03) v1(217.4,93.45) v1(217.9,113.55) v1(218.2,150.05) v1(218.5,160.85) v1(220.2,69.85) v1(220.8,93.65) v1(222.4,130.85) v1(222.6,177.65) v1(222.7,119.55) v1(222.8,151.45) v1(222.9,186.95) v1(222.9,153.65) v1(223.2,136.15) v1(223.8,142.65) v1(224.8,88.35) v1(225.4,106.15) v1(225.5,186.95) v1(225.9,97.35) v1(227.2,147.05) v1(227.6,43.25) v1(228,156.75) v1(228.3,186.75) v1(228.48,180.57) v1(229.1,159.15) v1(229.4,176.25) v1(230,154.15) v1(230.2,185.65) v1(230.3,167.65) v1(231.2,161.25) v1(231.9,183.35) v1(232.4,163.45) v1(232.7,12.05) v1(232.8,158.95) v1(233,137.85) v1(233.5,182.05) v1(233.5,118.25) v1(233.9,179.95) v1(234.1,156.55) v1(234.2,92.05) v1(234.4,50.75) v1(234.4,7.85) v1(235.3,99.95) v1(236.35,41.91) v1(237,11.45) v1(237.1,38.15) v1(237.2,7.85) v1(237.7,50.35) v1(237.8,34.95) v1(238.1,56.15) v1(238.6,153.95) v1(239.2,168.35) v1(239.3,101.45) v1(239.9,38.35) v1(240.1,173.45) v1(240.3,148.85) v1(240.92,143.86) v1(241.2,72.35) v1(242.3,167.85) v1(242.57,46.74) v1(242.57,45.47) v1(242.7,101.55) v1(243.84,46.74) v1(243.84,44.2) v1(245.11,46.74) v1(245.11,45.47) v1(245.11,44.2) v1(245.7,36.55) v1(246.11,37.37) v1(247,97.65) v1(247.1,159.95) v1(248.07,147.3) v1(248.46,137.44) v1(248.6,101.25) v1(248.74,139.6) v1(249.2,36.75) v1(250.5,55.85) v1(251.9,145.95) v1(252,144.25) v1(252.7,151.55) v1(252.8,117.05) v1(253.5,36.35) v1(254,51.25) v1(254.5,101.55) v1(256.01,138.81) v1(256.7,63.05) v1(256.8,94.65) v1(257.1,87.75) v1(258,141.15) v1(258.8,83.35) v1(259.6,100.15) v1(260.3,68.15) v1(262.1,92.15) v1(262.5,158.15) v1(262.7,146.55) v1(263.03,70.72) v1(263.2,64.25) v1(263.4,86.85) v1(264.5,104.35) v1(264.9,131.25) v1(265.4,128.95) v1(265.5,67.85) v1(266.4,98.25) v1(266.7,137.15) v1(267.7,151.65) v1(268.7,53.95) v1(269,104.55) v1(269.2,49.55) v1(269.48,64.33) v1(269.8,56.95) v1(270.2,67.75) v1(270.5,180.25) v1(270.5,38.05) v1(270.7,133.55) v1(270.8,121.25) v1(270.8,114.45) v1(271.2,124.35) v1(271.9,173.15) v1(272.68,64.77) v1(273.6,154.05) v1(273.7,113.65) v1(273.8,120.45) v1(273.9,165.35) v1(274.4,98.65) v1(274.6,129.95) v1(275,70.15) v1(276,79.65) v1(276.5,179.15) v1(277.3,82.15) v1(277.7,73.55) v1(277.8,94.95) v1(278.2,112.15) v1(278.6,173.95) v1(278.8,102.95) v1(279,36.15) v1(279.3,85.45) v1(280.32,39.08) v1(280.8,127.75) v1(280.9,25.95) v1(281.2,91.15) v1(281.6,119.35) v1(281.6,63.85) v1(282.2,53.25) v1(283.7,46.65) v1(284.1,106.15) v1(284.6,34.65) v1(284.7,79.95) v1(284.9,161.05) v1(285.61,38.93) v1(286,168.75) v1(287.7,116.95) v1(287.8,92.75) v1(288.2,102.25) v1(288.2,66.15) v1(288.5,85.05) v1(288.7,108.45) v1(288.7,46.55) v1(288.8,55.85) v1(288.9,59.25) v1(288.9,21.85) v1(289,28.95) v1(289.3,170.35) v1(289.3,68.65) v1(290.2,122.15) v1(291.5,79.45) v1(292.1,114.75) v1(294.3,104.65) v1(294.3,90.35) v1(295.3,173.85) v1(295.24,35.48) v1(295.6,31.35) v1(295.6,18.85) v1(296.6,98.05) v1(296.7,44.75) v1(296.9,58.05) v1(297,71.65) v1(297.3,65.65) v1(297.3,38.85) v1(297.4,29.15) v1(297.6,62.65) v1(297.6,53.35) v1(298.3,31.75) v1(298.5,21.45) v1(299.9,99.95) v1(300.1,118.95) v1(300.1,103.95) v1(300.1,94.55) v1(301.3,72.05) v1(302,179.85) v1(302.4,35.45) v1(303.2,168.05) v1(304.1,178.45) v1(304.4,93.45) v1(305.8,71.05) v1(306.6,173.35) v1(307.6,21.75) v1(307.8,104.25) v1(307.9,132.85) v1(307.9,116.95) v1(308,146.95) v1(308.2,106.85) v1(309.2,34.85) v1(311.7,173.05) v1(311.71,89.01) v1(311.9,85.05) v1(313.1,67.65) v1(313.2,73.65) v1(313.3,109.15) v1(313.9,21.25) v1(314.6,79.25) v1(315.3,63.75) v1(316.1,56.75) v1(316.5,74.95) v1(316.7,103.15) v1(316.8,182.65) v1(316.9,167.45) v1(317.1,187.45) v1(317.5,81.55) v1(317.9,176.75) v1(319.2,104.45) v1(319.4,32.45) v1(319.6,156.25) v1(320,96.35) v1(320.34,90) v1(320.8,187.25) v1(321.3,30.15) v1(322,73.55) v1(322.8,170.55) v1(322.9,86.45) v1(323,98.65) v1(323.2,96.45) v1(323.4,12.15) v1(323.9,103.35) v1(324.4,180.85) v1(324.4,81.35) v1(324.9,27.65) v1(325.2,175.35) v1(326.3,18.15) v1(326.8,152.45) v1(327.8,96.55) v1(328.5,45.75) v1(328.5,7.05) v1(328.6,15.55) v1(329.4,101.65) v1(329.6,71.95) v1(329.7,85.15) v1(329.8,151.75) v1(330.3,148.25) v1(330.4,64.95) v1(330.5,60.75) v1(330.8,57.35) v1(331,103.45) v1(331.4,26.15) v1(331.8,167.35) v1(332.3,94.75) v1(333.8,81.35) v1(333.9,167.65) v1(335.2,8.25) v1(335.28,159.77) v1(335.28,158.5) v1(335.28,157.23) v1(335.7,72.35) v1(336.55,159.77) v1(336.55,157.23) v1(337.7,64.95) v1(337.82,159.77) v1(337.82,158.5) v1(337.82,157.23) v1(338,100.15) v1(338,84.85) v1(338.1,95.45) v1(338.1,48.65) v1(338.4,93.05) v1(338.9,15.35) v1(339.6,21.85) v1(340.3,164.3) v1(340.6,57.95) v1(341,71.25) v1(341.2,168.3) v1(342.2,79.75) v1(342.2,52.95) v1(342.25,161) v1(342.3,63.85) v1(342.4,93.05) v1(342.5,148.45) v1(342.6,153.15) v1(343.2,94.85) v1(343.6,67.05) v1(343.7,168.25) v1(343.7,43.05) v1(344.25,160.25) v1(344.9,36.15) v1(345.6,154.35) v1(345.9,8.55) v1(346,168.05) v1(346.5,15.75) v1(346.7,42.75) v1(346.75,162.5) v1(349.1,81.85) v1(349.2,84.75) v1(349.4,93.85) v1(351,38.45) v1(352.5,30.05) v1(353.1,36.45) v1(353.5,97.55) v1(353.6,82.45) v1(354.5,92.15) v1(354.9,9.15) v1(356.3,86.45) v1(357.8,25.25) v1(359.4,30.15)